# KiCad board 2000ATX.kicad_pcb (continued)
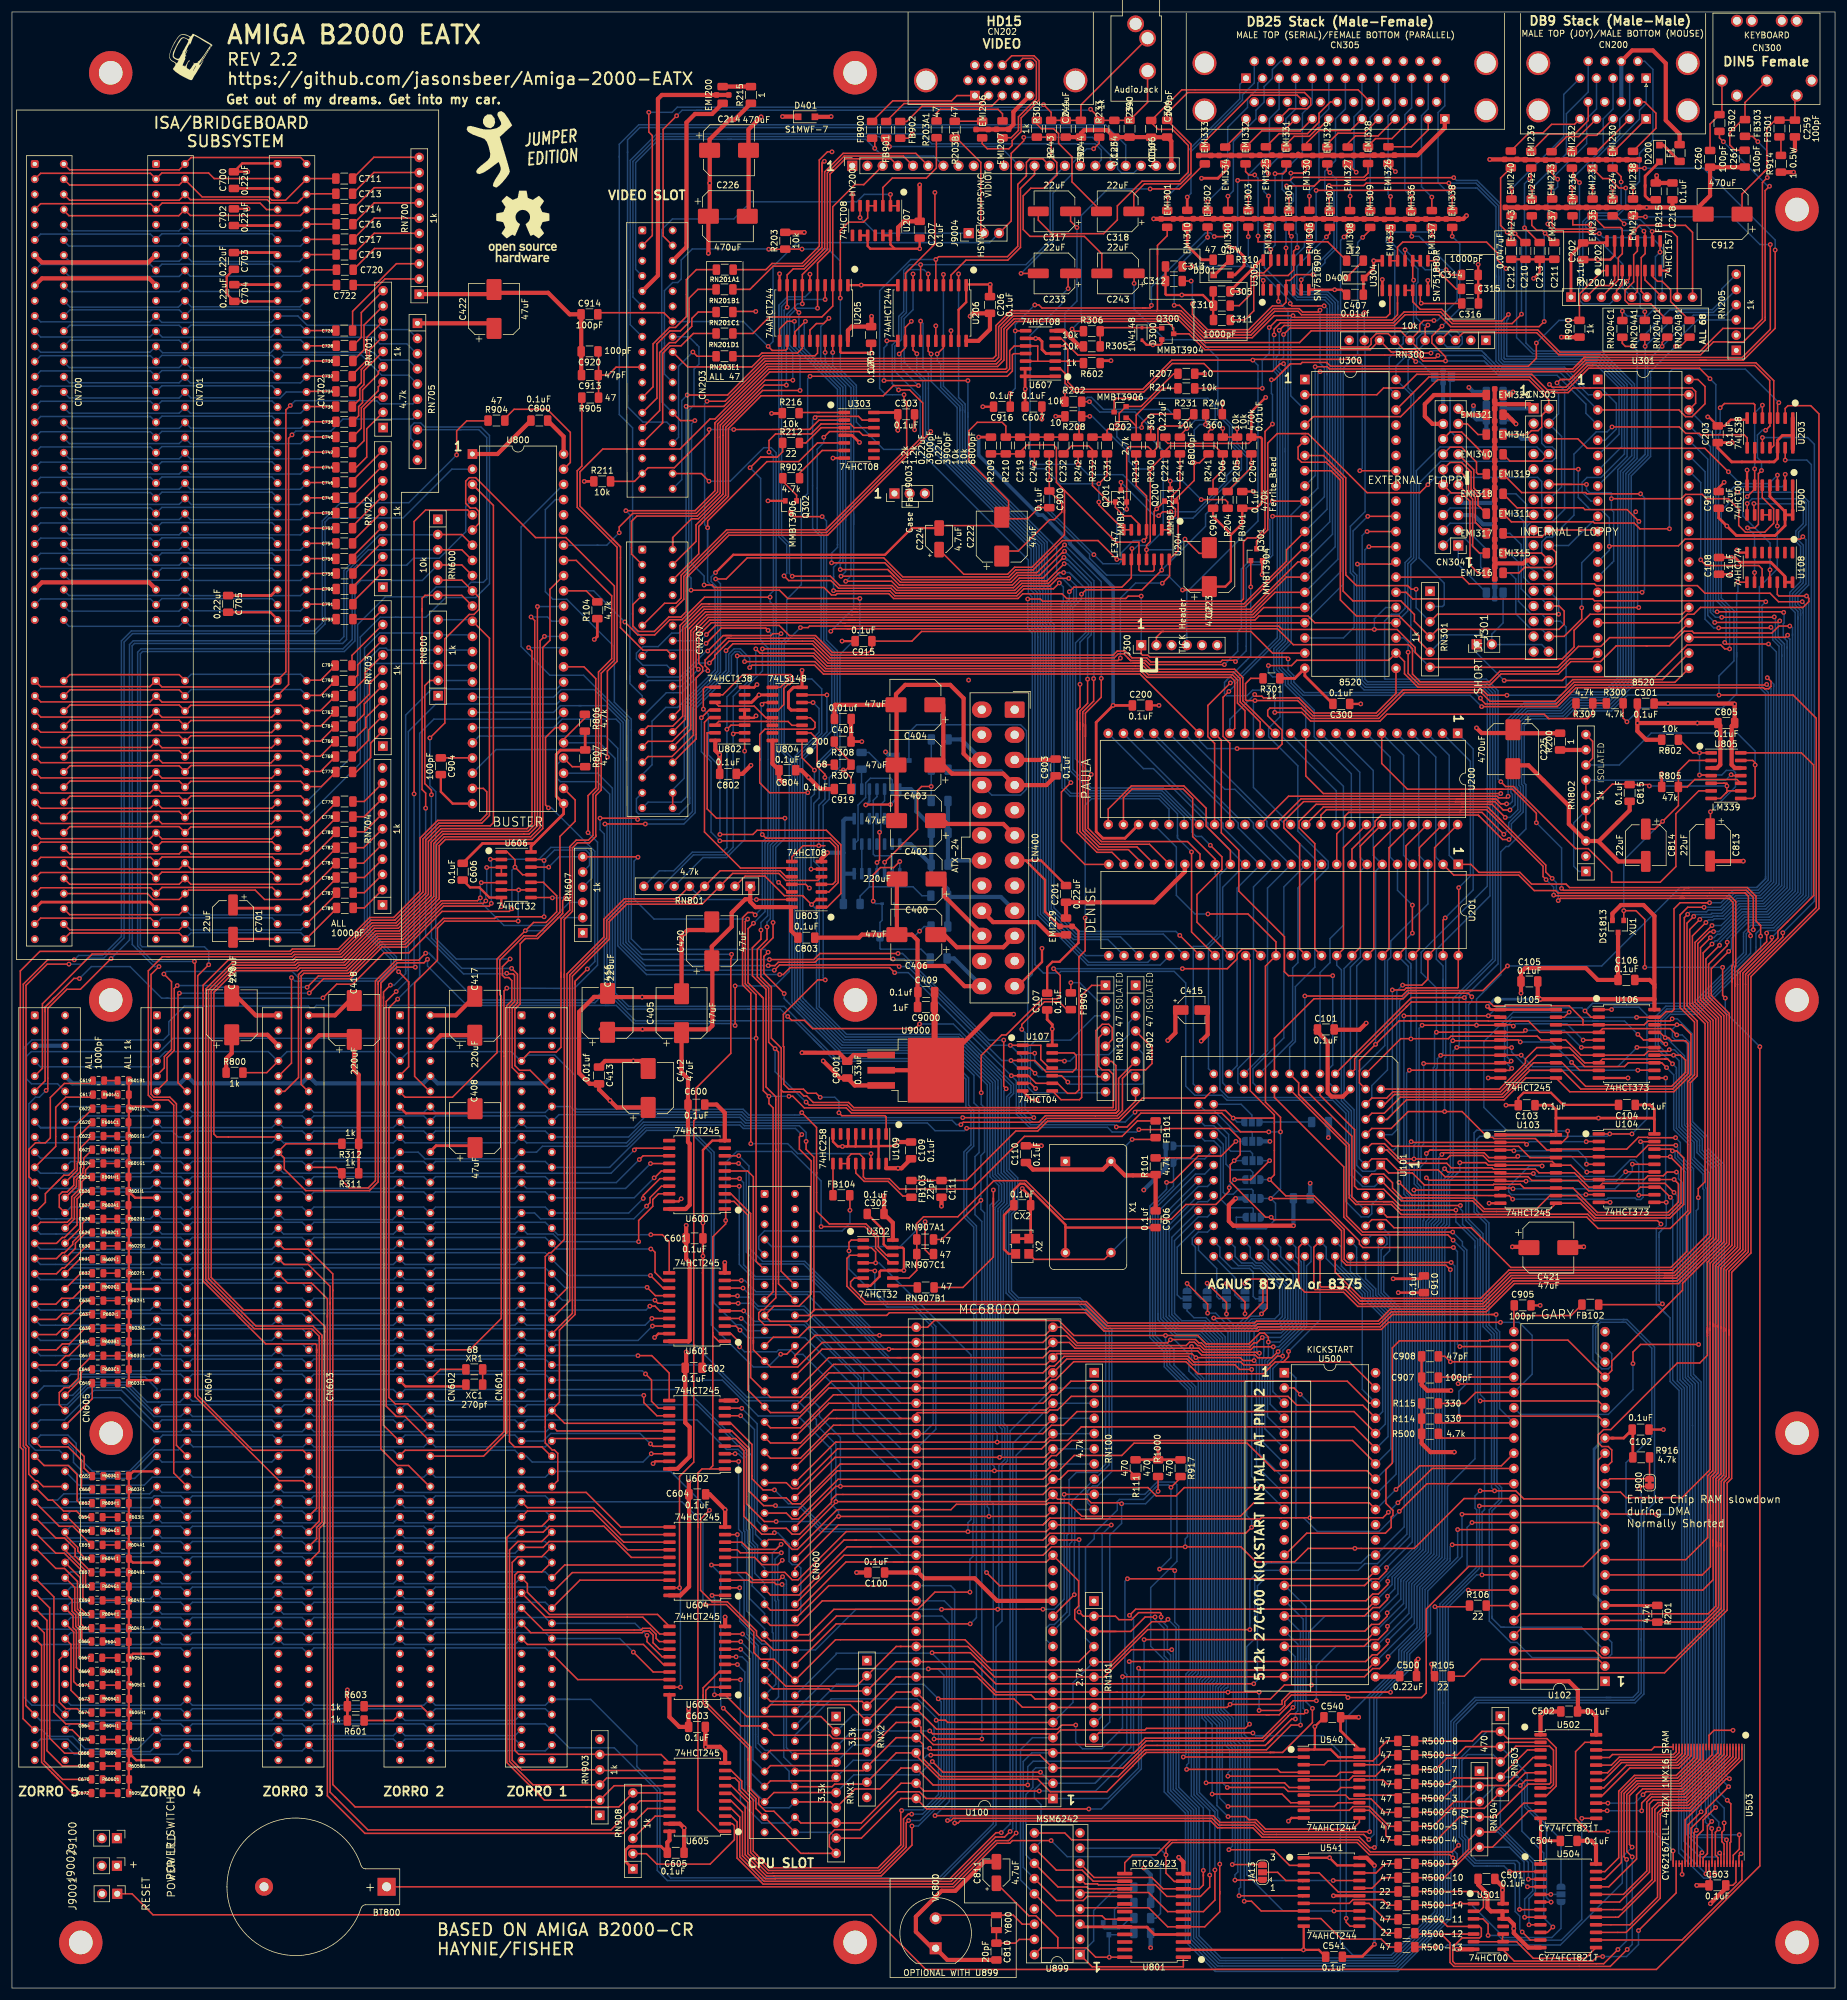
[diagram p0: board, top side]
## Routing (per net, layer and track width the routed paths; a pad name or vN(x,y) marks a point on that pad's centre or on a via; arc(x,y) is an arc through that point) (continued)
D6: length 465
  Top w0.25: U603.3 121.77,51.54 v1(121.79,51.51) ; v1(250.65,154.89) 250.37,154.61 U105.8 248.72,154.48 v1(236.02,154.48) ; v1(271.83,159.36) 272.77,158.42 U106.16 ; 274.58,158.39 U106.16 ; U106.16 275.63,158.42 276.31,157.73 v1(276.5,157.73) ; CN600.84 131.89,27.58 RNX1.8 142.01,27.58 148.64,34.21 U100.63 152.48,32.92 v1(171.75,32.92) ; U500.27 226.56,63.3 187.87,63.3 v1(186.84,62.28) ; v1(299.31,231.65) 295.35,231.65 293.93,233.07 283.06,233.07 281.78,234.35 264.88,234.35 264.57,234.65 243.61,234.65 242.49,235.76 U300.27
  Bottom w0.25: CN600.84 129.93,27.58 125.36,27.58 121.79,31.15 v1(121.79,51.51) ; 264.28,161.58 265.21,161.58 ; 264.28,161.58 250.78,161.58 250,160.8 250,155.54 v1(250.65,154.89) ; 264.28,161.58 269.61,161.58 v1(271.83,159.36) ; 291.58,176.21 291.58,173.15 281.59,163.16 277.07,163.16 275.68,161.77 275.68,157.99 275.94,157.73 v1(276.5,157.73) ; 291.58,176.21 291.86,176.49 ; 291.58,176.21 292.52,177.15 294.54,177.15 299.94,182.55 299.94,231.02 v1(299.31,231.65) ; v1(186.84,62.28) 187.52,61.61 187.52,39.28 181.15,32.92 v1(171.75,32.92) ; v1(236.02,154.48) 236.02,141.02 235.6,140.6 235.6,138.89 235.6,138.89 235.6,137.94 234.95,137.29 234.95,134.49 235.6,133.84 235.6,130.09 235.47,129.95 235.47,73.41 230.75,68.69 230.75,67.43 228.04,64.72
D7: length 454.6
  Top w0.25: U603.5 121.26,54.08 v1(121.28,54.05) ; U300.26 233.08,233.22 234.19,232.11 264.28,232.11 264.59,231.81 293.06,231.81 v1(293.22,231.65) ; 282.47,181.36 v1(283.82,181.36) 278.89,181.36 277.88,180.34 277.88,163.53 277.52,163.17 276.57,163.17 275.63,162.23 U106.19 274.58,162.2 v1(271.63,162.2) ; v1(233.63,153.37) 248.82,153.37 U105.9 250.42,153.34 v1(250.75,153.67) ; v1(186.49,68.38) 226.63,68.38 228.04,69.8 ; v1(169.82,33.93) 154,33.93 U100.62 148.64,36.75 145.15,33.27 140.94,33.27 RNX1.7 136.82,31.1 CN600.82
  Bottom w0.25: v1(250.75,153.67) 249.55,154.87 249.55,160.99 250.77,162.2 250.78,162.19 271.62,162.19 v1(271.63,162.2) ; 292.61,224.69 292.61,217.52 293.64,216.49 293.64,185.16 291.93,183.45 287.83,183.45 285.74,181.36 v1(283.82,181.36) ; 292.61,224.69 292.61,231.04 v1(293.22,231.65) ; 292.61,224.69 292.61,224.89 ; v1(233.63,153.37) 233.17,152.9 233.17,134.08 233.17,132.87 233.67,132.37 233.67,75.42 228.04,69.8 ; CN600.82 129.93,30.12 125.36,30.12 122.52,32.96 122.52,52.82 v1(121.28,54.05) ; v1(186.49,68.38) 186.07,67.96 186.07,52.7 186.4,52.37 186.4,40.86 183.44,37.9 170.74,37.9 169.82,36.98 v1(169.82,33.93)
D8: length 402.4
  Top w0.25: v1(233.93,141.43) 234.06,141.3 U103.2 252.91,141.3 v1(253.24,140.97) ; v1(217.42,46.74) 217.42,44.35 212.44,39.37 210.44,39.37 210.43,39.36 210.31,39.36 ; 212.8,67.26 226.14,67.26 227.26,68.38 228.51,68.38 229.82,69.69 v1(229.82,70.26) ; U104.2 263.22,141.45 v1(263.19,141.43) ; CN600.80 137.11,33.64 137.54,34.08 142.61,34.08 RNX2.9 147.83,39.29 U100.61 151.18,38.83 155.12,34.89 171.51,34.89 173.6,32.8 183.07,32.8 187.4,37.13 187.4,37.16 189.33,39.09 189.35,39.09 189.63,39.36 210.31,39.36 ; 210.31,39.36 211.07,39.36 ; U604.2 v1(121.67,66.88)
  In1.Cu w0.25: v1(263.19,141.43) 264.08,142.31 264.08,157.04 264.41,157.38 264.41,164.73 265.6,165.92 265.6,213.16 274.89,222.44 274.89,245.52 U301.33
  Bottom w0.25: v1(217.42,46.74) 216.33,47.83 216.33,54.99 216.36,55.02 216.36,63.7 212.8,67.26 ; v1(263.19,141.43) 253.7,141.43 v1(253.24,140.97) ; v1(233.93,141.43) 233.62,141.11 233.62,133.05 234.12,132.55 234.12,74.55 v1(229.82,70.26) ; CN600.80 129.93,34.62 129.93,36.21 126.44,39.7 125.94,39.7 124.78,40.87 124.78,57.19 122.87,59.09 122.87,60.11 121.67,61.32 v1(121.67,66.88)
D9: length 401.3
  Top w0.25: 212.8,62.18 226.14,62.18 227.53,63.58 228.63,63.58 229.97,64.92 v1(229.97,65.48) ; 189.42,39.81 209.74,39.81 213.87,43.94 v1(215.43,43.94) ; 189.42,39.81 189.57,39.81 ; 189.42,39.81 184.94,35.34 155.31,35.34 152.31,38.34 152.31,40.71 U100.60 147.83,41.83 RNX2.8 ; RNX2.8 142.52,36.53 ; RNX2.8 142.32,36.33 131.06,36.33 CN600.78 ; 237.1,140.02 237.43,140.02 ; 237.43,140.02 248.83,140.02 U103.3 250.98,140.03 v1(251.1,139.9) ; 237.43,140.02 237.05,140.02 v1(236.47,139.45) ; U104.5 263.27,137.64 v1(263.25,137.67) ; v1(128.75,67.44) 127.78,67.44 127.45,67.77 123.61,67.77 123.24,68.15 U604.3
  In1.Cu w0.25: v1(263.25,137.67) 264.53,138.95 264.53,156.86 264.91,157.24 264.91,164.59 266.05,165.74 266.05,212.98 275.34,222.26 275.34,243.43 U301.32
  Bottom w0.25: v1(251.1,139.9) 261.87,139.9 263.25,138.53 v1(263.25,137.67) ; v1(229.97,65.48) 231.2,66.71 231.2,68.51 235.92,73.23 235.92,127.51 235.92,128.2 236.05,128.34 236.05,134.28 235.46,134.87 235.46,137.16 236.47,138.17 v1(236.47,139.45) ; CN600.78 130.91,36.73 129.03,38.61 129.03,67.16 v1(128.75,67.44) ; v1(215.43,43.94) 215.43,59.55 212.8,62.18
D10: length 394.9
  Top w0.25: v1(263.3,136.35) 263.32,136.37 U104.6 ; RNX2.7 147.83,44.37 U100.59 151.98,43.57 151.98,42.72 154.02,40.68 188.38,40.68 189.45,41.75 209.03,41.75 214.25,46.96 ; RNX2.7 142.61,39.16 131.35,39.16 CN600.76 ; RNX2.7 142.52,39.07 ; v1(251.76,138.99) 251.54,138.76 U103.4 246.93,138.76 246.13,139.57 239.34,139.57 v1(239.06,139.29) ; v1(229.97,60.45) 229.97,59.78 228.41,58.22 227.19,58.22 226.07,57.1 212.8,57.1 ; U604.4 122.73,69.42 123.93,68.22 128.31,68.22 v1(128.83,68.74)
  In1.Cu w0.25: 265.36,161.23 265.36,163 ; 265.36,161.23 266.38,160.21 ; 265.36,161.23 266.38,160.21 ; 265.36,161.23 265.36,163 ; 266.5,159.71 266.5,158.55 ; 266.5,158.55 266.5,160.09 266.38,160.21 ; 266.5,158.55 266.5,145.08 265.06,143.63 265.06,138.11 v1(263.3,136.35) ; 265.36,163 265.36,164.41 266.5,165.55 266.5,212.79 275.83,222.12 275.83,241.39 U301.31
  Bottom w0.25: 214.53,48.82 214.53,48.51 ; 214.53,48.82 214.53,55.37 212.8,57.1 ; 214.53,48.82 214.53,47.24 v1(214.17,46.89) ; v1(128.83,68.74) 129.48,68.09 129.48,67.48 129.48,67.48 129.48,40.15 CN600.76 ; v1(251.76,138.99) 260.65,138.99 v1(263.3,136.35) ; v1(239.06,139.29) 238.53,138.76 238.53,128.27 237.74,127.48 237.74,72.51 233.11,67.87 233.11,63.59 v1(229.97,60.45)
D11: length 404.3
  Top w0.25: 118.9,46.79 v1(118.92,46.76) 120.68,45.01 ; v1(230.07,55.37) 230.07,54.81 228.65,53.38 227.5,53.38 226.14,52.02 v1(185.67,52.02) ; 120.88,44.8 120.68,45.01 ; 120.68,45.01 121.88,43.8 CN600.71 127.39,42.24 136.71,42.24 137.25,41.7 142.61,41.7 RNX2.6 147.83,46.91 U100.58 151.18,46.65 154.59,43.25 174.82,43.25 175.51,43.94 v1(177.85,43.94) ; v1(242.06,137.92) 246.38,137.92 246.8,137.5 248.83,137.5 U103.5 255.7,137.49 v1(255.83,137.36) ; U104.9 265.28,132.59 v1(263.14,132.59) ; 230.07,54.93 230.07,55.32 ; U604.5 v1(116.94,70.69)
  In1.Cu w0.25: v1(263.14,132.59) 265.51,134.95 265.51,143.44 266.95,144.89 266.95,160.27 265.81,161.41 265.81,164.22 266.95,165.36 266.95,170.43 ; U301.30 276.28,239.3 276.28,221.93 266.95,212.6 266.95,170.43 ; 266.95,170.43 266.95,170.18
  Bottom w0.25: v1(118.92,46.76) 118.5,47.18 118.5,69.13 v1(116.94,70.69) ; v1(177.85,43.94) 177.85,41.1 178.97,39.98 182.22,39.98 185.67,43.43 v1(185.67,52.02) ; v1(242.06,137.92) 242.06,136.54 241.48,135.96 ; v1(255.83,137.36) 253.69,137.36 250.23,133.9 250.23,133.06 250.7,132.59 v1(263.14,132.59) ; v1(230.07,55.37) 234.91,60.21 234.91,67.13 239.54,71.76 239.57,126.64 240.33,127.41 240.33,134.81 241.48,135.96 ; 241.48,135.96 241.76,136.24
D12: length 400.2
  Top w0.25: 213.05,46.84 214.22,48.01 v1(218.08,48.01) ; 213.05,46.84 211.87,45.66 209.72,45.66 ; 213.05,46.84 213.82,47.6 ; v1(271.98,132.49) 274.52,132.49 U104.12 ; 209.72,45.66 154.98,45.66 U100.57 147.83,49.45 RNX2.5 140.13,47.35 135.64,47.35 ; 209.72,45.66 210.25,45.66 ; CN600.69 126.84,47.35 135.64,47.35 ; U103.6 248.72,136.35 240.08,136.35 v1(239.52,136.91) ; U103.6 248.97,136.09 v1(254.36,136.09) ; U103.6 248.77,136.3 ; 135.64,47.35 134.52,47.35 ; U604.6 124.16,71.96 125.36,70.76 128.07,70.76 v1(128.79,71.48)
  In1.Cu w0.25: U301.29 276.73,237.21 276.73,221.74 267.4,212.42 267.4,165.18 266.26,164.03 266.26,161.6 267.4,160.46 267.4,144.7 265.96,143.26 265.96,138.51 v1(271.98,132.49)
  Bottom w0.25: v1(254.36,136.09) 254.83,135.62 267.8,135.62 270.57,138.39 271.26,138.39 271.98,137.67 v1(271.98,132.49) ; 238.98,135.92 238.98,136.11 ; 238.98,135.92 238.98,136.37 v1(239.52,136.91) ; 238.98,135.92 238.98,135.16 ; v1(218.08,48.01) 218.08,53.85 221.34,57.1 228.04,57.1 233.56,62.62 233.56,67.68 238.19,72.32 238.19,127.3 238.98,128.09 238.98,135.16 ; v1(128.79,71.48) 128.03,70.72 128.03,64.94 128.16,64.8 128.16,48.67 CN600.69 ; 238.98,135.16 238.98,135.38
D13: length 380.5
  Top w0.25: 164.12,49.26 164.22,49.16 ; 164.22,49.16 164.38,49 170.35,49 171.05,48.3 210.41,48.3 212.75,50.65 v1(217.27,50.65) ; 164.22,49.16 161.39,51.99 U100.56 148.2,51.99 ; 248.82,134.92 U103.7 ; U103.7 248.97,134.82 v1(253.14,134.82) ; U103.7 248.81,134.98 236.87,134.98 v1(236.47,135.38) ; v1(128.63,72.73) 121.78,72.73 121.27,73.23 U604.7 ; U104.15 274.58,136.4 v1(269.8,136.4) ; 148.2,51.99 148.51,51.99 ; 148.2,51.99 147.83,51.99 RNX2.4 142.12,47.9 126.81,47.9 CN600.67
  In1.Cu w0.25: U301.28 277.18,235.12 277.18,221.56 267.85,212.23 267.85,210.93 267.85,164.99 266.71,163.85 266.71,161.79 267.85,160.64 267.85,144.52 266.41,143.07 266.41,139.79 v1(269.8,136.4)
  Bottom w0.25: 236.37,128.02 236.87,128.52 236.87,134.98 v1(236.47,135.38) ; 236.37,128.02 236.37,126.89 ; 236.37,128.02 236.37,126.89 ; v1(253.14,134.82) 268.22,134.82 v1(269.8,136.4) ; v1(217.27,50.65) 217.27,53.78 216.81,54.25 216.81,59.43 219.56,62.18 228.04,62.18 231.73,65.86 231.73,68.4 236.37,73.04 236.37,126.89 ; CN600.67 127.71,50.76 127.71,64.62 127.58,64.75 127.58,71.67 v1(128.63,72.73)
D14: length 374.1
  Top w0.25: v1(207.61,50.84) 164.48,50.84 160.79,54.53 U100.55 147.83,54.53 RNX2.3 136.92,49.63 136.56,49.99 127.26,49.99 CN600.65 ; U103.8 250.83,133.68 v1(250.95,133.55) ; U103.8 248.61,133.45 ; U103.8 248.51,133.35 v1(234.39,133.35) ; v1(270.92,137.67) 270.94,137.64 U104.16 ; 128.54,74.2 v1(128.59,74.15) 127.74,73.3 123.2,73.3 122,74.5 U604.8
  In1.Cu w0.25: v1(270.92,137.67) 268.3,140.28 268.3,210.74 268.3,212.04 277.63,221.37 277.63,233.03 U301.27
  Bottom w0.25: v1(128.59,74.15) 127.13,72.69 127.13,59.45 127.26,59.32 127.26,52.85 CN600.65 ; 207.68,50.92 v1(207.61,50.84) 208.22,51.45 208.22,67.2 209.41,68.38 226.92,68.38 228.04,67.26 234.57,73.78 234.57,133.17 v1(234.39,133.35) ; v1(250.95,133.55) 268.03,133.55 270.92,136.44 v1(270.92,137.67) 270.87,137.72
D15: length 365.9
  Top w0.25: U104.19 274.58,141.43 v1(272.29,141.43) ; v1(121.27,75.77) U604.9 ; 148.64,57.07 159.83,57.07 163.78,53.12 183.11,53.12 189.88,59.89 v1(206.96,59.89) ; 148.64,57.07 148.51,57.07 ; 148.64,57.07 147.83,57.07 RNX2.2 141.19,50.44 129.35,50.44 CN600.63 ; v1(250.9,131.83) 250.32,132.41 U103.9 ; U103.9 236.37,132.49 234.04,132.49 v1(231.9,134.62) ; U103.9 248.61,132.64
  In1.Cu w0.25: U301.26 278.08,230.94 278.08,221.18 268.75,211.86 268.75,145.88 272.29,142.35 v1(272.29,141.43)
  Bottom w0.25: 232.11,132.13 232.41,131.83 ; 232.41,131.83 232.77,131.47 232.77,77.06 228.04,72.34 ; 232.41,131.83 231.9,132.33 v1(231.9,134.62) ; 121.27,75.77 121.27,69.32 122.4,68.19 122.4,61.44 123.32,60.52 123.32,59.52 125.36,57.48 126.3,57.48 126.81,56.97 126.81,54.94 CN600.63 ; U500.30 226.84,72.34 225.53,71.03 209.82,71.03 206.96,68.16 206.96,61.42 ; 206.96,61.42 206.96,61.01 ; 206.96,61.42 v1(206.96,59.89) ; v1(250.9,131.83) 266.64,131.83 266.83,132.02 271.38,132.02 271.64,131.76 272.33,131.76 272.71,132.14 272.71,141.01 v1(272.29,141.43)
DIR: length 16.7
  Top w0.25: EMI317.1 249.92,242.46 255.76,242.46 CN303.18 264.87,243.64 U301.11
DKWE: length 215.4
  Top w0.25: 288.04,167.39 288.04,170.62 288.2,170.78 288.2,181.58 287.24,182.53 279.41,182.53 ; 288.04,167.39 288.01,123.92 284.81,120.72 284.81,110.52 ; 288.04,167.39 288.04,169.27 ; 279.41,182.53 257.85,182.53 v1(257.76,182.63) ; 279.41,182.53 278.99,182.53 ; 281.79,69.04 U102.8 ; 281.79,69.04 282.6,69.04 283.96,70.4 283.96,78.02 ; 281.79,69.04 282.64,69.04 ; 284.81,110.52 284.81,110.91 ; 284.81,110.52 284.81,86.27 283.96,85.42 283.96,78.02 ; 242.16,196.9 219.76,196.9 218.85,195.99 U200.39 ; 242.16,196.9 246.54,196.9 255.98,187.45 255.98,185.72 v1(256.49,185.22) ; 242.16,196.9 242.42,196.9 ; 283.96,78.02 283.96,79.04 283.96,79.04
  Bottom w0.25: v1(257.76,182.63) 257.76,183.95 v1(256.49,185.22)
DMAL: length 62.2
  Bottom w0.25: U200.12 222.61,200.81 222.61,188.57 222.61,188.56 222.61,177.6 220.36,175.35 220.36,171.34 218.69,169.67 U101.18
DMAOUT: length 167.3
  Top w0.25: 117.17,109.52 117.17,109.06 118.15,108.08 U601.1 ; 117.17,109.52 117.17,87.27 116.64,86.74 ; 117.17,109.52 117.17,125.53 119.32,127.68 v1(119.32,128.25) 119.32,130.03 U600.1 ; U602.1 116.64,86.74 ; 116.64,86.74 115.37,86.74 114.68,86.06 114.68,76.96 ; 114.68,76.96 114.68,29.71 118.2,26.19 U605.1 ; 114.68,76.96 114.68,77.57 ; v1(135.28,127.23) 142.6,127.23 144.4,125.43 144.4,123.63 146.86,121.17 U302.11 146.9,121.17
  Bottom w0.25: v1(119.32,128.25) 119.32,137.95 121.16,139.79 130.36,139.79 135.29,134.86 v1(135.28,127.23)
DOE: length 372
  Top w0.25: R601.2 63.75,44.7 64.74,45.69 ; v1(74.35,256.18) 74.35,260.2 76.02,261.87 79.55,261.87 R904.1 79.23,261.92 ; CN605.93 2.3,47.2 2.3,90.17 1.9,90.58 1.9,167.74 5.98,171.82 v1(10.41,171.82)
  Bottom w0.25: 85.06,45.69 84.08,44.71 65.72,44.71 64.74,45.69 63.76,44.71 45.4,44.71 44.42,45.69 43.44,44.71 25.08,44.71 24.1,45.69 23.12,44.71 4.76,44.71 3.78,45.69 ; v1(10.41,171.82) 11.14,172.54 15.14,172.54 18.3,175.7 18.3,225.1 19.97,226.77 50.55,226.77 51.89,228.12 51.89,245.16 54.93,248.2 66.36,248.2 v1(74.35,256.18)
DRA0-G: length 131.6
  Top w0.25: U540.2 215.95,38.61 v1(195.83,38.61)
  Bottom w0.25: U101.42 199.41,138.55 194.83,138.55 JA7.1 194.2,133.98 190.71,130.48 190.71,108.89 193.1,106.49 193.1,104.01 196.99,100.11 196.99,53.18 196.28,52.46 196.28,39.05 v1(195.83,38.61)
DRA1-0: length 126.8
  Top w0.25: v1(196.4,36.54) 211.58,36.54 212.08,36.04 U540.4
  Bottom w0.25: U101.43 191.16,130.3 191.16,109.07 193.55,106.68 193.55,104.19 197.44,100.3 197.44,53 196.73,52.28 196.73,37.59 196.4,37.26 v1(196.4,36.54)
DRA2-1: length 131.9
  Top w0.25: U540.6 213.55,33.5 212.77,34.29 v1(199.64,34.29)
  Bottom w0.25: 191.61,112.69 191.61,129.74 197.88,136.01 199.41,136.01 U101.44 ; 191.61,112.69 191.61,111.66 ; 191.61,112.69 191.61,111.66 ; 191.61,111.66 194.46,108.81 198.4,108.81 199.69,107.51 199.69,51.98 198.98,51.27 198.98,45.11 199.64,44.45 v1(199.64,34.29)
DRA3-2: length 127.6
  Top w0.25: v1(200.66,32.41) 212.35,32.41 213.79,30.96 U540.8
  Bottom w0.25: v1(200.66,32.41) 200.66,44.07 199.43,45.3 199.43,51.08 200.14,51.8 200.14,107.7 198.58,109.26 194.65,109.26 192.06,111.85 192.06,128.66 U101.45
DRA4-3: length 142.1
  Top w0.25: v1(203.32,28.65) 206.28,28.65 206.79,28.14 208.01,28.14 209.58,26.56 224.16,26.56 225.27,27.68 U540.11
  Bottom w0.25: U101.46 199.88,133.94 198.34,133.94 192.51,128.1 192.51,112.04 194.83,109.71 198.77,109.71 200.59,107.88 200.59,51.61 199.88,50.89 199.88,45.49 201.46,43.91 201.46,30.51 v1(203.32,28.65)
DRA5-4: length 133.8
  Top w0.25: U540.13 221.7,30.96 221.07,30.34 v1(203.31,30.34)
  Bottom w0.25: v1(203.31,30.34) 201.91,31.74 201.91,44.19 200.33,45.77 200.33,50.71 201.04,51.43 201.04,108.07 198.96,110.16 195.02,110.16 192.96,112.22 192.96,127.02 U101.47
DRA6-5: length 132.5
  Top w0.25: v1(203.19,33.52) 212.7,33.52 213.36,32.86 221.52,32.86 222.17,33.5 U540.15
  Bottom w0.25: U101.48 199.88,131.4 198.34,131.4 193.47,126.52 193.47,112.35 195.21,110.61 199.14,110.61 201.49,108.25 201.49,51.24 200.78,50.52 200.78,45.95 202.36,44.37 202.36,34.35 v1(203.19,33.52)
DRA7-6: length 125.6
  Top w0.25: U540.17 222.06,36.04 221.42,35.4 v1(203.29,35.4)
  Bottom w0.25: U101.49 193.92,125.44 193.92,112.53 195.39,111.06 199.33,111.06 201.94,108.44 201.94,51.05 201.23,50.34 201.23,46.14 202.81,44.56 202.81,40.65 203.61,39.85 203.61,36.28 203.29,35.96 v1(203.29,35.4)
DRA8: length 103.7
  Top w0.25: JA13.3 v1(204.02,20.63)
  Bottom w0.25: JA12.3 196.47,113.16 197.61,112.01 199.64,112.01 202.84,108.81 202.84,50.68 202.13,49.96 202.13,46.51 203.71,44.93 203.71,41.02 204.51,40.22 204.51,21.12 v1(204.02,20.63)
DRA8-7: length 131.3
  Top w0.25: v1(203.45,23.11) 211,23.09 213.59,20.5 U541.2 215.9,20.42
  Bottom w0.25: v1(203.45,23.11) 204.06,23.72 204.06,40.03 203.26,40.83 203.26,44.74 201.68,46.33 201.68,50.15 202.39,50.87 202.39,108.63 199.52,111.51 195.58,111.51 194.37,112.72 194.37,124.88 198.34,128.86 199.88,128.86 U101.50
DRA9: length 114.9
  Top w0.25: v1(209.15,117.75) 209.15,114.6 206.45,111.91 200.96,111.91 v1(200.91,111.95) ; JA13.1 v1(204.47,18.03)
  Bottom w0.25: v1(204.47,18.03) 204.47,18.92 204.96,19.4 204.96,40.41 204.19,41.17 204.19,45.08 202.58,46.7 202.58,49.78 202.95,50.15 203.16,50.15 203.29,50.28 203.29,109.57 203.29,109.57 v1(200.91,111.95) ; JA8.1 v1(209.15,117.75)
DRD0: length 277.4
  Top w0.25: 262.66,160.96 U106.3 272.9,160.96 273.54,161.59 277.22,161.59 v1(277.57,161.95) ; 262.66,160.96 262.66,161.83 260.37,164.12 247.67,164.12 247.03,164.76 233.94,164.76 233.12,163.93 ; 262.66,160.96 U105.18 ; 233.12,163.93 233.31,164.12 ; 233.12,163.93 224.49,155.3 224.49,153.47 U101.14 ; v1(287.14,34.97) 286.62,34.97 279.73,28.09 U503.29
  Bottom w0.25: U101.14 223.77,170.6 225.44,172.27 225.44,186.63 U201.7 225.34,188.98 225.34,203.16 U200.10 ; v1(287.14,34.97) 286.29,35.82 286.29,137.58 283.5,140.36 283.5,142.24 280.98,144.77 280.98,159.42 278.44,161.95 v1(277.57,161.95)
DRD1: length 263.7
  Top w0.25: 233.97,161.61 231.9,161.61 v1(227.98,157.69) 225.3,155.01 225.3,153.27 225.28,153.25 225.28,151.25 U101.13 ; 233.97,161.61 246.82,161.61 246.85,161.58 253.55,161.58 255.45,159.69 U105.17 U106.4 265.93,160.31 277.28,160.31 v1(278.33,159.26) ; 233.97,161.61 233.63,161.61 ; U503.31 280.73,26.71 283.27,29.24 283.27,29.91 v1(287,33.64)
  Bottom w0.25: v1(287,33.64) 285.84,34.81 285.84,137.39 283.05,140.18 283.05,142.06 280.53,144.58 280.53,157.99 279.26,159.26 v1(278.33,159.26) ; U200.9 227.59,203.45 227.59,189.27 U201.6 227.98,186.63 v1(227.98,157.69)
DRD2: length 251.6
  Top w0.25: 277.11,156.82 v1(277.09,156.79) 276.82,156.52 273.55,156.52 272.9,155.88 U106.7 262.31,155.88 259.77,158.42 U105.16 255.65,158.42 255.03,159.04 240.57,159.04 240.17,158.64 232.2,158.64 U101.12 ; v1(284.83,30.17) 283.72,29.06 283.72,29.06 282.73,28.07 282.73,26.41 281.73,25.41 U503.33 ; v1(234.14,180.95) v1(234.14,176.28)
  Bottom w0.25: v1(284.83,30.17) 284.49,30.51 284.49,136.83 281.7,139.62 281.7,141.5 279.18,144.02 279.18,155.58 277.96,156.79 v1(277.09,156.79) ; U200.7 230.42,205.7 230.42,188.98 U201.5 231.65,183.44 v1(234.14,180.95) ; 233.89,170.44 233.89,171.14 233.06,171.97 233.06,175.2 v1(234.14,176.28) ; 233.89,170.44 v1(233.89,158.6) ; 233.89,170.44 233.89,170.91
DRD3: length 338.9
  Top w0.25: 279.61,183.43 289.95,183.43 291.13,182.25 v1(291.13,176.83) ; 279.61,183.43 279.45,183.43 ; 279.61,183.43 259.39,183.43 v1(259.08,183.74) ; 243.74,150.22 248.68,150.22 253.03,154.57 253.03,155.24 254.94,157.15 U105.15 260.4,157.15 262.94,154.61 U106.8 265.93,155.23 276.31,155.23 ; 243.74,150.22 U101.11 ; 243.74,150.22 243.89,150.22 ; 276.31,155.23 276.82,155.23 v1(277.62,154.43) ; 276.31,155.23 276.51,155.23 ; U200.6 229.01,204.62 233.32,200.3 233.35,200.33 246.46,200.33 ; 246.46,200.33 249.26,200.33 ; 246.46,200.33 250.85,200.33 254.86,196.32 v1(254.86,194.72) ; U503.35 282.73,21.74 283.46,22.46 283.46,27.12 v1(284.19,27.84)
  Bottom w0.25: U200.6 232.67,205.99 232.67,189.27 U201.4 ; v1(284.19,27.84) 283.59,28.44 283.59,36.27 283.31,36.55 283.31,133.59 283.17,133.74 283.17,136.21 280.8,138.58 280.8,141.12 278.28,143.65 278.28,152.8 ; v1(254.86,194.72) 259.08,190.5 v1(259.08,183.74) ; 278.28,152.8 278.28,153.78 v1(277.62,154.43) 274.78,157.28 274.78,162.33 276.51,164.06 281.21,164.06 289.95,172.8 289.95,176.17 290.62,176.83 v1(291.13,176.83) ; 278.28,152.8 278.28,153.47
DRD4: length 259.7
  Top w0.25: U101.10 227.35,148.71 229.84,148.71 230.89,149.77 248.87,149.77 254.96,155.85 258.12,155.85 U105.14 261.03,155.88 262.93,153.98 269.61,153.98 270.23,154.61 U106.13 275.82,154.61 v1(276.63,153.8) ; U503.38 284.23,26.61 v1(284.19,26.65)
  Bottom w0.25: v1(284.19,26.65) 283.14,27.7 283.14,36.08 282.86,36.36 282.86,133.41 282.72,133.55 282.72,136.03 280.35,138.39 280.35,140.94 277.83,143.47 277.83,152.6 v1(276.63,153.8) ; U101.10 227.35,148.71 227.35,150.79 229.97,153.42 229.97,171.7 230.52,172.26 230.52,174.95 236.73,181.15 U201.3 235.21,189.27 235.21,205.99 U200.5
DRD5: length 318.6
  Top w0.25: U106.14 v1(277.8,155.88) 278.97,155.88 279.81,155.04 279.81,153.01 277.47,150.67 263.1,150.67 259.17,154.61 U105.13 254.38,154.61 249.09,149.32 231.15,149.32 229.51,147.68 U101.9 ; v1(285.36,26.58) 284.79,26.02 284.79,22.22 285.23,21.77 U503.40 ; 280.47,182.98 279.25,182.98 ; 280.47,182.98 258.48,182.98 258.07,183.39 254.51,183.39 251.92,185.98 241.05,185.98 U201.2 ; 280.47,182.98 289.76,182.98 290.31,182.43 290.31,176.58 290.68,176.22 v1(290.68,175.82)
  Bottom w0.25: U201.2 238.04,188.98 238.04,205.7 U200.4 ; v1(290.68,175.82) 290.68,172.89 281.4,163.61 276.69,163.61 275.23,162.15 275.23,157.58 276.93,155.88 v1(277.8,155.88) 278.73,154.95 278.73,143.84 281.25,141.31 281.25,138.76 283.77,136.25 283.77,36.73 284.04,36.46 284.04,29.06 285.36,27.74 v1(285.36,26.58)
DRD6: length 325.3
  Top w0.25: U105.12 259.17,153.34 262.28,150.22 277.66,150.22 280.26,152.82 280.26,157.84 279.81,158.29 277.48,158.29 276.97,158.8 v1(276.4,158.8) 275.51,159.69 U106.17 ; U105.12 257.12,153.34 ; U105.12 253.75,153.34 249.27,148.87 232.13,148.87 229.43,146.17 227.35,146.17 U101.8 ; v1(286.26,27.59) 286.26,26.41 285.88,26.03 285.88,24.46 286.24,24.1 286.24,22.38 286.23,22.37 U503.42 ; 292.1,177.8 291.58,178.31 291.58,182.43 290.14,183.88 280.35,183.88 ; 292.1,177.8 292.35,177.54 v1(292.35,175.77) ; 292.1,177.8 292.3,177.59 ; 280.35,183.88 260.42,183.88 259.83,184.47 254.06,184.47 252.1,186.43 245.26,186.43 243.93,187.76 U201.1 ; 280.35,183.88 279.5,183.88
  Bottom w0.25: U201.1 240.29,189.27 240.29,205.99 U200.3 ; v1(286.26,27.59) 286.26,30.06 284.94,31.38 284.94,35.34 ; v1(292.35,175.77) 292.35,173.29 281.77,162.71 277.26,162.71 276.4,161.86 v1(276.4,158.8) 276.59,158.8 279.63,155.76 279.63,144.21 282.15,141.68 282.15,139.8 284.94,137.02 284.94,35.34 ; 284.94,35.34 284.94,35.08
DRD7: length 295.9
  Top w0.25: U106.18 v1(278.36,160.96) 279.12,160.96 280.71,159.37 280.71,152.64 277.84,149.77 260.44,149.77 U105.11 253.11,152.07 249.46,148.42 233.14,148.42 229.86,145.14 U101.7 ; 233.73,167.13 241.71,167.13 241.81,167.23 U201.48 241.88,172.59 v1(241.88,183.87) ; 233.73,167.13 233.13,167.13 232.77,166.78 v1(230.78,166.78) ; 233.73,167.13 233.12,167.13 ; U503.44 287.23,24.28 287.37,24.42 287.37,30.78 v1(286.77,31.38)
  Bottom w0.25: 241.86,183.85 v1(241.88,183.87) 243.84,185.83 243.84,204.98 U200.2 ; v1(230.78,166.78) 230.78,145.95 229.97,145.14 U101.7 ; v1(278.36,160.96) 277.61,160.21 277.61,158.91 278.07,158.45 279.4,158.45 280.08,157.77 280.08,144.4 282.6,141.87 282.6,139.99 285.39,137.2 285.39,32.77 v1(286.77,31.38)
DRD8: length 250.1
  Top w0.25: U503.30 280.23,27.28 v1(282.41,29.46) ; v1(239.62,178.82) 239.27,178.46 U201.47 ; v1(278.13,142.09) 273.54,142.09 273.47,142.15 271.94,142.15 269.97,140.18 U104.3 258.29,140.18 U103.18 256.62,140.03 254.7,141.95 247.77,141.95 247.56,142.15 246.75,142.15 242.45,146.46 v1(239.52,146.46) 233.43,146.46 230.6,143.63 227.35,143.63 U101.6
  Bottom w0.25: 282.41,37.74 282.41,101.26 281.55,102.13 281.55,102.15 281.13,102.56 281.13,136.93 278.94,139.13 278.94,141.28 v1(278.13,142.09) ; v1(239.62,178.82) 244.3,183.49 244.3,207.06 U200.1 ; 282.41,40.31 v1(282.41,29.46) ; v1(239.52,146.46) 239.52,155.35 239.71,155.54 239.71,172.07 U201.47
DRD9: length 237.6
  Top w0.25: U200.48 237.85,190.56 237.85,173.64 U201.46 236.73,168.6 235.71,167.58 v1(232.5,167.58) ; v1(281.63,26.38) 281.23,25.98 U503.32 ; v1(278.18,140.82) 273.54,140.82 271.63,138.91 U104.4 258.29,138.91 U103.17 253.8,138.76 251.91,140.66 230.79,140.66 U101.5
  Bottom w0.25: v1(281.63,26.38) 281.63,29.75 281.96,30.08 281.96,36.85 ; 281.1,101.94 281.21,101.83 ; 281.1,101.94 281.21,101.83 ; 281.1,101.94 281.1,101.96 280.68,102.38 280.68,136.74 278.49,138.94 278.49,140.51 v1(278.18,140.82) ; 281.21,101.83 281.96,101.08 281.96,36.85 ; U101.5 230.73,142.6 231.54,143.41 231.54,166.62 v1(232.5,167.58) ; 281.96,36.85 281.96,40.5
DRD10: length 232.1
  Top w0.25: U101.4 227.35,141.09 229.46,141.09 232.01,138.54 v1(234.4,138.54) 239.89,138.54 240.46,139.12 245.94,139.12 246.94,138.12 257.52,138.12 U103.16 260.61,137.49 262.99,135.1 U104.7 272.9,135.1 273.54,135.74 276.1,135.74 276.71,136.35 v1(278.28,136.35) ; U200.47 235.31,190.56 235.31,173.64 U201.45 ; U503.34 282.23,22.31 v1(282.54,22.62)
  Bottom w0.25: v1(282.54,22.62) 282.54,23.12 280.01,25.66 280.01,32.41 280.52,32.92 280.52,100.61 279.75,101.38 279.75,101.4 279.33,101.82 279.33,134.53 278.63,135.24 278.63,136 v1(278.28,136.35) ; U201.45 234.8,171.9 234.8,141.22 234.4,140.82 v1(234.4,138.54)
DRD11: length 231
  Top w0.25: v1(277.88,132.94) 276.36,134.46 265.93,134.46 U104.8 263.63,133.83 261.24,136.22 U103.15 255.3,136.22 254.68,136.85 247.69,136.85 247.48,137.05 240.64,137.05 239.88,137.81 232.1,137.81 229.86,140.06 U101.3 ; U200.46 233.06,190.85 233.06,173.93 U201.44 ; v1(283.22,19.08) 283.23,19.09 U503.36